# Altium PCB CM4-Tower.PcbDoc (part 4 of 10)
Units mil, origin at the board's own origin, x right, y up, seen from the top; angles counter-clockwise.
Board outline 1968.5 x 5354.33 mil, 8 copper layers (Top Layer, Layer 2, Layer 3, Layer 4, Layer 5, Layer 6, Layer 7, Bottom Layer), stack 61.408 mil thick; 632 components, 480 nets, 2338 pads, 1074 vias.
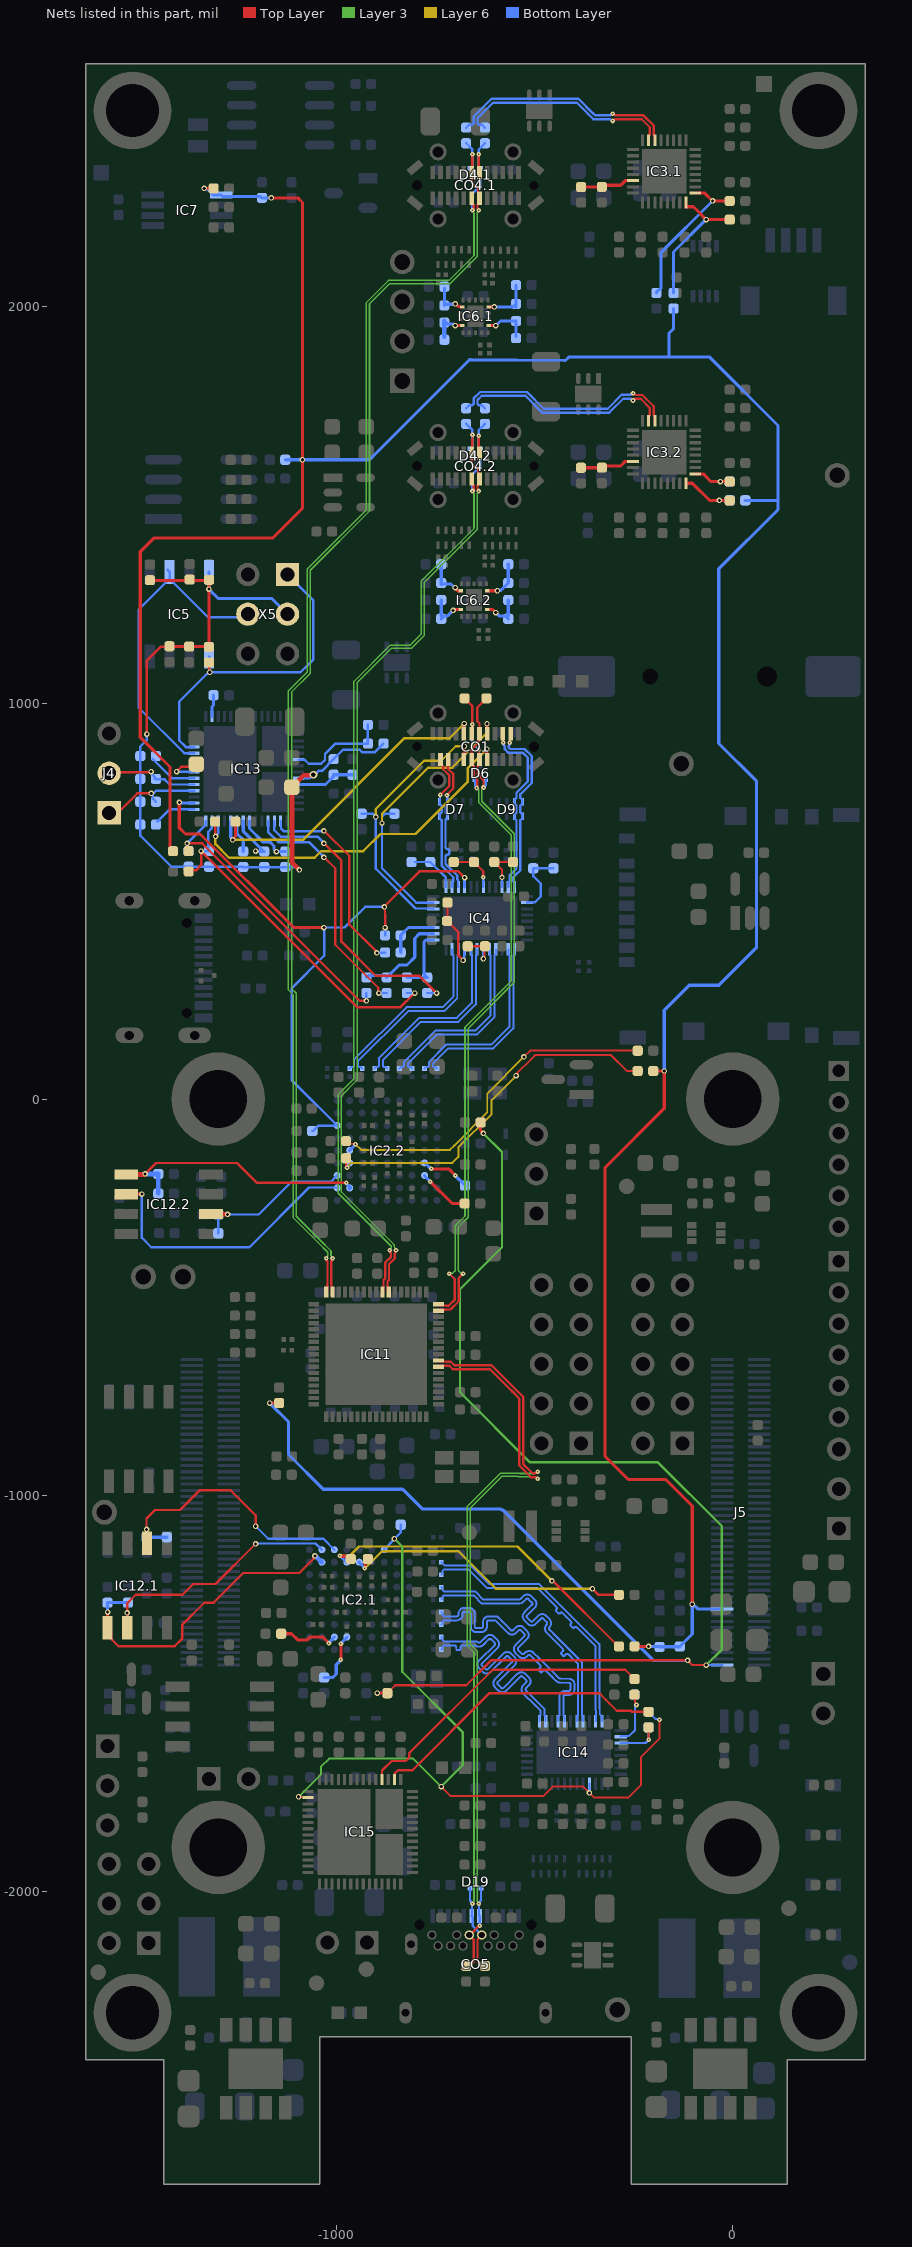
[diagram p10: the nets of this part, all layers, seen from the top]

## Via types
v1: diameter 13.78, hole 7.87, Top Layer to Bottom Layer, tented both sides, 538 vias
v2: diameter 11.81, hole 3.94, Top Layer to Bottom Layer, tented both sides, 294 vias
v3: diameter 19.68, hole 11.81, Top Layer to Bottom Layer, tented both sides, 193 vias
v4: diameter 31.5, hole 19.68, Top Layer to Bottom Layer, tented both sides, 49 vias

## Nets (pads, with @x,y where several pads share a name; then routed paths per layer and width w, separated by ;. In a path a pad name is that pad's centre, name@x,y a point inside that pad or via, vN(x,y) a via of type N, cw(c..) or ccw(c..) an arc to the next point about the centre after c; other vN are vias at no path point) (continued)
CM4_I2C.SDA: IC7.1 J5.82 R117.2 R127.1.1 R127.2.1 R148.1.1 R148.2.1 R188.1 R190.1 R208.2 R216.1 R221.1 | length 7707.2
  Top Layer w7.87: R188.1@-1413.39,625.98 -1420.72,633.32 -1420.72,638.92 -1421.26,639.46 -1421.26,838.58 -1496.06,913.39 -1496.06,1381.97 -1461.7,1416.34 -1162.4,1416.34 -1086.61,1492.13 v1(-1086.61,1614.17) -1086.61,2263.78 -1098.43,2275.59 v1(-1165.35,2275.59) ; v1(-1334.65,2299.21) R208.2@-1311.02,2299.21 ; R148.1.1@-248.03,-1381.89 v1(-212.6,-1381.89) ; R148.2.1@-200.79,70.87 v1(-173.23,70.87) -173.23,-23.62 -322.83,-173.23 -322.83,-901.57 -263.78,-960.63 -169.29,-960.63 -102.36,-1027.56 v1(-102.36,-1275.59)
  Bottom Layer w7.87: v1(-1334.65,2299.21) -1333.52,2298.08 -1326.63,2298.08 -1311.02,2282.48 IC7.1@-1291.34,2282.48 -1287.89,2279.04 -1192.42,2279.04 R216.1@-1188.98,2275.59 v1(-1165.35,2275.59) ; R221.1@-1129.92,1614.17 v1(-1086.61,1614.17) -917.32,1614.17 -664.83,1866.67 -661.53,1866.67 -425.69,1865 -422.4,1865 -413.39,1874.02 -161.42,1874.02 ; v1(-212.6,-1381.89) -211.84,-1382.65 -185.8,-1382.65 R190.1@-185.04,-1383.4 -184.54,-1382.9 -134.36,-1382.9 R117.2@-133.86,-1382.4 -102.36,-1350.91 v1(-102.36,-1275.59) -100.76,-1275.59 -88.95,-1287.4 J5.82@-26.77,-1287.4 ; v1(-173.23,70.87) -173.23,224.41 -110.24,287.4 -35.43,287.4 60.04,382.87 60.04,802.17 -35.43,897.64 -35.43,1338.58 114.17,1488.19 114.17,1511.81 ; R127.1.1@-149.61,1996.06 -149.61,1944.88 -161.42,1933.07 -161.42,1874.02 ; R127.2.1@31.5,1511.81 114.17,1511.81 ; -161.42,1874.02 -59.06,1874.02 114.17,1700.79 114.17,1511.81
CM4_R_SCL.1: IC2.1.E2 R70.1.2 R149.1.2 | length 759.1
  Top Layer w5.91: v1(-354.45,-1236.34) -338.83,-1251.97 R149.1.2@-281.87,-1251.97
  Top Layer w7.87: v2(-929.13,-1185.04) -928.38,-1184.29 -928.38,-1168.54 R70.1.2@-921.26,-1161.42
  Layer 6 w5.91: v2(-929.13,-1185.04) -885.83,-1141.73 -692.91,-1141.73 -598.3,-1236.34 v1(-354.45,-1236.34)
  Bottom Layer w7.87: IC2.1.E2@-943.13,-1169.47 -943.13,-1170.26 -929.13,-1184.25 v2(-929.13,-1185.04)
CM4_R_SCL.2: IC2.2.E2 R70.2.2 R149.2.2 | length 898.9
  Top Layer w4.92: R70.2.2@-976.38,-106.3 -969.82,-112.86 -954.07,-112.86 v2(-952.76,-114.17) ; v1(-527.56,106.3) -511.81,122.05 R149.2.2@-240.16,122.05
  Layer 6 w4.92: v2(-952.76,-114.17) -938.49,-128.44 -714.55,-128.44 -703.74,-117.62 -703.74,-117.56 -620.08,-33.9 -620.08,13.78 v1(-527.56,106.3)
  Bottom Layer w7.87: IC2.2.E2@-967.37,-129.92 -967.37,-129.35 -952.76,-114.74 v2(-952.76,-114.17)
CM4_R_SDA.1: IC2.1.D2 R71.1.2 R148.1.2 | length 873.6
  Top Layer w5.91: v1(-456.69,-1216.54) -455.19,-1218.04 -452.89,-1218.04 -289.47,-1381.46 R148.1.2@-287.4,-1381.46
  Top Layer w7.87: v2(-992.13,-1153.54) -991.37,-1154.3 -971.69,-1154.3 R71.1.2@-964.57,-1161.42
  Layer 6 w5.91: v2(-992.13,-1153.54) -967.68,-1153.54 -944.05,-1129.92 -543.31,-1129.92 v1(-456.69,-1216.54)
  Bottom Layer w7.87: v2(-992.13,-1153.54) -991.34,-1153.54 -975.41,-1169.47 IC2.1.D2@-974.62,-1169.47
CM4_R_SDA.2: IC2.2.D2 R71.2.2 R148.2.2 | length 946.5
  Top Layer w4.92: R71.2.2@-976.38,-149.61 -976.19,-149.8 -976.19,-171.35 v2(-974.15,-173.39) ; v1(-547.24,59.06) -547.24,61.45 -544.04,64.65 -544.04,66.19 -507.87,102.36 -499.02,111.22 -308.07,111.22 -267.72,70.87 R148.2.2@-240.16,70.87
  Layer 6 w4.92: v2(-974.15,-173.39) -974.15,-171.52 -967.5,-164.87 -967.5,-164.68 -964.02,-161.2 -707.94,-161.2 -692.91,-146.17 -692.91,-122.05 -609.25,-38.39 -609.25,-2.95 v1(-547.24,59.06)
  Bottom Layer w7.87: v2(-974.15,-173.39) -973.4,-172.64 -973.4,-170.11 -967.37,-164.08 IC2.2.D2@-967.37,-161.42
CM4_rstn: J5.100 R22.1 R28.1.1 R28.2.1 | length 4222.5
  Top Layer w5.91: R28.1.1@-872.26,-1500.18 -852.4,-1480.32 -673.23,-1480.32 -610.24,-1417.32 v1(-114.17,-1417.32) -102.36,-1429.13 v1(-66.93,-1429.13)
  Top Layer w7.87: v1(-1169.29,-767.72) R22.1@-1145.67,-767.72 ; v1(-897.85,-1500) -897.76,-1500.09 -872.35,-1500.09 R28.1.1@-872.26,-1500.18 ; R28.2.1@-636.66,-59.06 -636.66,-79.27 -629.92,-86.01 v1(-629.92,-86.61)
  Layer 3 w5.91: v1(-629.92,-86.61) -582.68,-133.86 -582.68,-374.02 -688.98,-480.31 -688.98,-740.16 -511.81,-917.32 -188.98,-917.32 -27.56,-1078.74 -27.56,-1389.76 v1(-66.93,-1429.13)
  Bottom Layer w5.91: v1(-66.93,-1429.13) J5.100@-26.77,-1429.13
  Bottom Layer w7.87: v1(-1169.29,-767.72) -1122.05,-814.96 -1122.05,-897.64 -1034.45,-985.24 -833.66,-985.24 -784.24,-1034.66 -587.19,-1034.66 -584.45,-1037.4 -580.75,-1037.4 -200.83,-1417.32 v1(-114.17,-1417.32)
CNFG_A1.1: IC6.1.1 R237.1.2 R241.1.1 | length 109.2
  Top Layer w7.87: IC6.1.1@-616.14,1952.76 v1(-598.43,1952.76)
  Bottom Layer w7.87: v1(-598.43,1952.76) -586.61,1964.57 -570.87,1964.57 R237.1.2@-547.24,1964.57 ; R241.1.1@-547.24,1925.2 R237.1.2@-547.24,1960.63
CNFG_A1.2: IC6.2.1 R237.2.2 R241.2.1 | length 102.3
  Top Layer w7.87: IC6.2.1@-620.08,1236.22 -606.3,1236.22 v1(-598.43,1228.35)
  Bottom Layer w7.87: v1(-598.43,1228.35) -590.02,1219.94 -574.27,1219.94 R241.2.1@-566.93,1212.6 ; R241.2.1@-566.93,1220.47 R237.2.2@-566.93,1259.84
CNFG_A2.1: IC6.1.13 R239.1.2 R243.1.1 | length 89.5
  Top Layer w7.87: v1(-700.79,1952.76) IC6.1.13@-683.07,1952.76
  Bottom Layer w7.87: R239.1.2@-728.35,1964.57 -721.01,1957.23 -706.86,1957.23 -702.39,1952.76 v1(-700.79,1952.76)
  Bottom Layer w11.81: R243.1.1@-728.35,1925.2 R239.1.2@-728.35,1964.57
CNFG_A2.2: IC6.2.13 R239.2.2 R243.2.1 | length 98.4
  Top Layer w7.87: v1(-706.18,1233.96) -704.58,1233.96 -702.32,1236.22 IC6.2.13@-687.01,1236.22
  Bottom Layer w7.87: R243.2.1@-736.22,1212.6 -728.89,1219.93 -720.2,1219.93 v1(-706.18,1233.96) ; R243.2.1@-736.22,1220.47 R239.2.2@-736.22,1259.84
CNFG_B1.1: IC6.1.4 R238.1.2 R242.1.1 | length 128.4
  Top Layer w7.87: IC6.1.4@-616.14,2000 -602.46,2000 v1(-602.41,2000.05)
  Bottom Layer w7.87: v1(-602.41,2000.05) -560.72,2000.05 -560.23,2000.53 -554.58,2000.53 R238.1.2@-547.24,2007.87 ; R238.1.2@-547.24,1998.92 R238.1.2@-547.24,2007.87 ; R242.1.1@-547.24,2055.12 R238.1.2@-547.24,2007.87
CNFG_B1.2: IC6.2.4 R238.2.2 R242.2.1 | length 108.5
  Top Layer w7.87: IC6.2.4@-620.08,1283.46 v1(-594.49,1283.46)
  Bottom Layer w7.87: v1(-594.49,1283.46) -593.36,1284.59 -585.48,1284.59 R238.2.2@-566.93,1303.15 R242.2.1@-566.93,1350.39
CNFG_B2.1: IC6.1.10 R240.1.2 R244.1.1 | length 92.5
  Top Layer w7.87: v1(-700.79,2007.87) -699.87,2006.96 ccw(c-683.07,2023.76) IC6.1.10@-683.07,2000
  Bottom Layer w7.87: R244.1.1@-728.35,2047.24 -728.35,2006.74 R240.1.2@-728.35,2003.94 -725.54,2006.74 -701.92,2006.74 v1(-700.79,2007.87)
CNFG_B2.2: IC6.2.10 R240.2.2 R244.2.1 | length 103
  Top Layer w7.87: v1@-700.79,1287.4 -699.19,1287.4 -695.25,1283.46 IC6.2.10@-687.01,1283.46
  Bottom Layer w7.87: R240.2.2@-736.22,1299.21 R244.2.1@-736.22,1346.46 ; R240.2.2@-736.22,1303.15 -733.64,1300.57 -711.61,1300.57 -702.39,1291.34 v1(-700.79,1291.34)
CONFIG1.1: IC2.1.C8 R35.1.2 | length 157.9
  Top Layer w7.87: R35.1.2@-1140.29,-1350 -1114.46,-1350 -1098.81,-1365.65 -1074.31,-1365.65 -1066.93,-1358.27 -1035.43,-1358.27 v2(-1019.69,-1374.02)
  Bottom Layer w7.87: v2(-1019.69,-1374.02) -1018.93,-1373.26 -1018.93,-1371.26 IC2.1.C8@-1006.12,-1358.45
CONFIG1.2: IC2.2.C8 R35.2.2 | length 131.2
  Top Layer w7.87: v2(-763.78,-208.66) -708.66,-263.78 R35.2.2@-677.17,-263.78
  Bottom Layer w7.87: IC2.2.C8@-778.39,-192.91 -778.39,-193.48 -763.78,-208.09 v2(-763.78,-208.66)
CONFIG2.1: IC2.1.D8 R54.1.2 | length 138.6
  Top Layer w7.87: v2(-989.79,-1415.72) -989.59,-1415.52 -989.59,-1375.68 v2(-989.39,-1375.48)
  Bottom Layer w7.87: R54.1.2@-1031.71,-1460.81 -1031.62,-1460.72 -1010.15,-1460.72 -1001.2,-1451.77 -1001.2,-1428.2 -989.79,-1416.79 v2(-989.79,-1415.72) ; v2(-989.39,-1375.48) -989.39,-1374.41 -974.62,-1359.65 IC2.1.D8@-974.62,-1358.45
CONFIG2.2: IC2.2.D8 R54.2.2 | length 126.5
  Top Layer w7.87: v2(-761.36,-176.2) -717.52,-176.18 v2(-700.79,-192.91)
  Bottom Layer w7.87: IC2.2.D8@-778.39,-161.42 -777.21,-161.42 -762.43,-176.2 v2(-761.36,-176.2) ; v2(-700.79,-192.91) -700.79,-193.33 -676.03,-218.09 R54.2.2@-676.03,-218.5
CTL0(USB3): IC15.18 R152.1 | length 782.2
  Top Layer w5.91: IC15.18@-885.83,-1718.5 -885.83,-1695.76 -861.33,-1671.26 -825.87,-1671.26 -816.93,-1662.32 -816.93,-1651.58 -606.3,-1440.94 -271.65,-1440.94 R152.1@-248.03,-1464.57
CTL0/SDA: IC14.22 R152.2 R153.2 | length 165.2
  Top Layer w4.92: R152.2@-248.03,-1503.94 -247.48,-1504.49 -247.48,-1523.66 -243.11,-1528.03 v2(-243.11,-1529.87)
  Bottom Layer w4.92: IC14.22@-283.46,-1610.24 -281.99,-1608.76 -262.3,-1608.76 -246.93,-1593.39 v2@-246.93,-1529.87 ; R153.2@-248.03,-1503.94 -247.48,-1504.49 -247.48,-1523.66 -246.93,-1524.22 v2@-246.93,-1529.87 ; v2(-243.11,-1529.87) v2@-246.93,-1529.87
CTL1(DP): IC15.16 R154.1 | length 760.4
  Top Layer w5.91: IC15.16@-854.33,-1718.5 -853.35,-1717.52 -853.35,-1703.02 -845.2,-1694.88 -809.06,-1694.88 -614.17,-1500 -337.39,-1500 -320.87,-1516.52 -320.87,-1516.65 -311.93,-1525.59 -311.8,-1525.59 -293.1,-1544.29 -257.81,-1544.29 -254.86,-1547.24 R154.1@-212.6,-1547.24
CTL1/HPDIN: IC14.23 R154.2 R155.2 | length 137.1
  Top Layer w4.92: v2(-212.6,-1618.11) R154.2@-212.6,-1586.61
  Bottom Layer w4.92: IC14.23@-283.46,-1625.98 -220.47,-1625.98 v2(-212.6,-1618.11) R155.2@-212.6,-1586.61
CTL.1: IC3.1.30 R61.1.2 R69.1.1 | length 128.4
  Top Layer w7.87: R69.1.1@-383.26,2302.89 -383.13,2303.02 -330.84,2303.02 R61.1.2@-330.71,2303.15 ; R61.1.2@-322.83,2307.09 -322.53,2307.4 -283.13,2307.4 -271.62,2318.9 IC3.1.30@-251.97,2318.9
CTL.2: IC3.2.30 R61.2.2 R69.2.1 | length 128.4
  Top Layer w7.87: R69.2.1@-383.26,1594.04 -383.13,1594.17 -330.84,1594.17 R61.2.2@-330.71,1594.3 ; R61.2.2@-322.83,1598.24 -322.53,1598.55 -283.13,1598.55 -271.62,1610.05 IC3.2.30@-251.97,1610.05
D_DFP.1_N: CO4.1.7 CO4.1.27 D4.1.2 IC11.17 R64.1.2 | length 3322.9
  Top Layer w5.91: IC11.17@-1026.39,-487.08 -1023.83,-484.52 -1023.83,-468.65 -1023.44,-468.25 -1023.44,-439.8 -1023.44,-409.66 -1026.39,-406.71 v2(-1026.39,-401.57) ; CO4.1.7@-659.45,2274.41 -659.45,2263.58 -654.53,2258.66 v2@-654.53,2248.65 ; v2(-641.73,2385.83) -641.73,2341.73 CO4.1.27@-639.76,2339.76
  Layer 3 w3.94: v2(-1026.39,-401.57) -1026.39,-399.44 -1022.45,-395.51 -1022.45,-387 -1047.24,-362.2 -1110.24,-299.21 -1110.24,263.78 -1122.05,275.59 -1122.05,1030.82 -1074.8,1078.06 -1074.8,1338.58 -925.2,1488.19 -925.2,2011.14 -869.4,2066.93 -716.54,2066.93 -653.54,2129.92 -653.54,2238.03 -657.48,2241.96 v2(-657.48,2244.09)
  Bottom Layer w5.91: v2(-657.48,2244.09) -657.48,2286.25 -636.74,2306.99 D4.1.2@-636.74,2350.5 -641.73,2355.49 -641.73,2374.02 v2(-641.73,2385.83) -641.73,2397.64 R64.1.2@-625.98,2413.39
D_DFP.1_P: CO4.1.6 CO4.1.26 D4.1.1 IC11.16 R65.1.2 | length 3282.2
  Top Layer w5.91: IC11.16@-1010.64,-487.08 -1013.2,-484.52 -1013.2,-468.65 -1013.59,-468.25 -1013.59,-443.88 -1013.59,-409.66 -1010.64,-406.71 v2(-1010.64,-401.57) ; v2(-657.48,2385.83) -657.48,2341.73 CO4.1.26@-659.45,2339.76 -659.45,2314.17 -642.72,2297.44 -642.72,2277.36 CO4.1.6@-639.76,2274.41 -639.76,2263.58 -644.69,2258.66 v2@-644.69,2248.65
  Layer 3 w3.94: v2(-1010.64,-401.57) -1010.64,-399.44 -1014.58,-395.51 -1014.58,-383.74 -1041.68,-356.64 -1049.55,-348.76 -1102.36,-295.95 -1102.36,267.04 -1114.17,278.85 -1114.17,1027.56 -1066.93,1074.8 -1066.93,1335.32 -917.32,1484.93 -917.32,2007.87 -866.14,2059.06 -713.27,2059.06 -645.67,2126.66 -645.67,2238.03 -641.73,2241.96 v2(-641.73,2244.09)
  Bottom Layer w5.91: R65.1.2@-673.23,2413.39 -657.48,2397.64 v2(-657.48,2385.83) -657.48,2357.33 D4.1.1@-664.3,2350.5
D_DFP.2_N: CO4.2.7 CO4.2.27 D4.2.2 IC11.8 R64.2.2 | length 2521.3
  Top Layer w5.91: IC11.8@-884.66,-487.08 -882.1,-484.52 -882.1,-468.65 -881.9,-468.45 -881.9,-456.79 -877.95,-452.85 -877.95,-413.25 -863.19,-398.48 -863.19,-389.97 -865.01,-388.15 -865.01,-383.02 v2(-866.14,-381.89) ; CO4.2.7@-659.45,1565.56 -659.45,1554.73 -654.53,1549.81 v2@-654.53,1539.8 ; v2(-641.27,1675.09) -641.5,1674.86 -641.5,1658.64 -641.73,1658.41 -641.73,1632.88 CO4.2.27@-639.76,1630.92
  Layer 3 w3.94: v2(-866.14,-381.89) cw(c-861,-381.89) -864.64,-378.26 -863.58,-377.2 ccw(c-866.91,-373.87) -862.2,-373.87 ccw(c-866.91,-373.87) -863.58,-370.55 -996.14,-237.99 -996.14,11.74 -956.69,51.18 -956.69,1054.44 -865.47,1145.67 -814.96,1145.67 -786.44,1174.19 -786.44,1308.05 -653.54,1440.94 -653.54,1529.18 -657.48,1533.12 v2(-657.48,1535.25)
  Bottom Layer w5.91: v2(-657.48,1535.25) -657.48,1577.4 -636.74,1598.14 D4.2.2@-636.74,1641.66 -641.27,1646.18 v2(-641.27,1675.09) -641.27,1689.44 R64.2.2@-625.98,1704.72
D_DFP.2_P: CO4.2.6 CO4.2.26 D4.2.1 IC11.7 R65.2.2 | length 2482.6
  Top Layer w5.91: -871.86,-472.33 -872.06,-472.13 -872.06,-460.87 -868.11,-456.92 -868.11,-417.32 -853.35,-402.56 -853.35,-389.97 -851.52,-388.15 -851.52,-383.02 v2(-850.39,-381.89) ; -871.47,-472.33 -871.47,-484.52 IC11.7@-868.91,-487.08 ; v2(-657.48,1676.98) -657.25,1676.75 -657.25,1665.17 -657.48,1664.94 -657.48,1633.07 CO4.2.26@-659.45,1631.1 -659.45,1605.32 -642.72,1588.59 -642.72,1568.51 -639.76,1565.56 -639.76,1554.73 -644.69,1549.81 v2@-644.69,1539.8
  Layer 3 w3.94: v2(-850.39,-381.89) ccw(c-855.54,-381.89) -851.89,-378.26 -852.36,-377.79 cw(c-847.61,-373.04) -854.33,-373.04 -854.33,-372.24 ccw(c-862.97,-372.24) -856.85,-366.14 -988.26,-234.73 -988.26,8.47 -948.82,47.92 -948.82,1051.18 -862.2,1137.8 -811.7,1137.8 -778.56,1170.93 -778.56,1304.79 -645.67,1437.68 -645.67,1529.18 -641.73,1533.12 v2(-641.73,1535.25)
  Bottom Layer w5.91: R65.2.2@-673.23,1704.72 -657.48,1688.98 v2(-657.48,1676.98) -657.48,1648.48 D4.2.1@-664.3,1641.66
D_DFP_R.1_N: IC3.1.23 R64.1.1 | length 550.3
  Top Layer w5.91: v2(-303.32,2469.64) -301.72,2469.64 -297.5,2473.87 -229.68,2473.87 -209.65,2453.84 -209.65,2435.04 -212.6,2432.09 IC3.1.23@-212.6,2421.26
  Bottom Layer w5.91: R64.1.1@-625.98,2452.76 -633.3,2460.07 -641.23,2460.07 -644.69,2463.53 -644.69,2476.38 -605.32,2515.75 -393.7,2515.75 -366.14,2488.19 -352.07,2474.12 -309.4,2474.12 -304.92,2469.64 v2(-303.32,2469.64)
D_DFP_R.1_P: IC3.1.22 R65.1.1 | length 582.9
  Top Layer w5.91: v2(-303.15,2488.19) -301.55,2488.19 -297.07,2483.71 -225.6,2483.71 -199.8,2457.91 -199.8,2435.04 -196.85,2432.09 IC3.1.22@-196.85,2421.26
  Bottom Layer w5.91: R65.1.1@-673.23,2452.76 -665.91,2460.07 -657.99,2460.07 -654.53,2463.53 -654.53,2480.45 -609.39,2525.59 -389.62,2525.59 -352.8,2488.77 -348,2483.96 -308.97,2483.96 -304.75,2488.19 v2(-303.15,2488.19)
D_DFP_R.2_N: IC3.2.23 R64.2.1 | length 551.6
  Top Layer w5.91: v2(-251.97,1763.78) -250.37,1763.78 -246.15,1768 -232.66,1768 -209.65,1744.99 -209.65,1726.19 -212.6,1723.24 IC3.2.23@-212.6,1712.41
  Bottom Layer w5.91: R64.2.1@-625.98,1744.09 -633.3,1751.41 -641.23,1751.41 -644.69,1754.87 -644.69,1764.76 -633.86,1775.59 -523.62,1775.59 -484.25,1736.22 -481.23,1733.2 -311.94,1733.2 -276.88,1768.26 -258.04,1768.26 -253.57,1763.78 v2(-251.97,1763.78)
D_DFP_R.2_P: IC3.2.22 R65.2.1 | length 584.2
  Top Layer w5.91: v2(-251.8,1782.33) -250.2,1782.33 -245.72,1777.85 -228.59,1777.85 -199.8,1749.06 -199.8,1726.19 -196.85,1723.24 IC3.2.22@-196.85,1712.41
  Bottom Layer w5.91: R65.2.1@-673.23,1744.09 -665.91,1751.41 -657.99,1751.41 -654.53,1754.87 -654.53,1768.84 -637.93,1785.43 -519.55,1785.43 -477.15,1743.04 -316.01,1743.04 -280.95,1778.1 -257.62,1778.1 -253.4,1782.33 v2(-251.8,1782.33)
D_N: CO5.7 CO5.27 D19.2 IC11.59 R187.2 | length 1923.3
  Top Layer w5.91: IC11.59@-742.92,-660.31 -740.36,-662.87 -724.49,-662.87 -724.1,-663.26 -711.98,-663.26 -702.99,-672.24 -609.11,-672.24 -529.53,-751.83 -529.53,-921.36 -505.82,-945.06 -497.84,-945.06 -493.72,-940.94 v2(-492.13,-940.94) ; CO5.27@-633.86,-2110.63 -633.86,-2112.12 -644.69,-2122.95 -644.69,-2178.2 -641.23,-2181.66 -633.3,-2181.66 R187.2@-625.98,-2188.98
  Layer 3 w3.94: v2(-657.48,-2031.5) -657.48,-2029.37 -653.54,-2025.43 -653.54,-1396.96 -670.92,-1379.58 -670.92,-1029.19 -586.61,-944.88 -539,-944.88 -538.41,-945.47 -498.37,-945.47 -493.85,-940.94 v2(-492.13,-940.94)
  Bottom Layer w5.91: D19.2@-663.39,-1993.11 -663.39,-2023.99 -657.48,-2029.9 v2(-657.48,-2031.5) -658.46,-2032.48 -658.46,-2062.01 CO5.7@-659.45,-2062.99 -656.5,-2065.94 -656.5,-2087.99 CO5.27@-633.86,-2110.63
D_P: CO5.6 CO5.26 D19.1 IC11.58 R186.2 | length 1913.4
  Top Layer w5.91: IC11.58@-742.92,-676.06 -740.36,-673.5 -724.49,-673.5 -724.1,-673.1 -716.05,-673.1 -707.07,-682.09 -613.19,-682.09 -562.99,-732.28 -556.61,-738.67 -539.37,-755.91 -539.37,-925.44 -509.9,-954.91 -497.9,-954.91 -493.75,-959.06 v2(-492.15,-959.06) ; R186.2@-673.23,-2188.98 -665.91,-2181.66 -657.99,-2181.66 -654.53,-2178.2 -654.53,-2122.95 -665.35,-2112.12 CO5.26@-665.35,-2110.63 -663.69,-2110.63 -640.53,-2087.46 v2(-638.93,-2087.46)
  Layer 3 w3.94: v2(-641.73,-2031.5) -641.73,-2029.37 -645.67,-2025.43 -645.67,-1393.7 -663.05,-1376.32 -663.05,-1032.45 -583.35,-952.76 -542.26,-952.76 -541.68,-953.34 -499.54,-953.34 -493.83,-959.06 v2(-492.15,-959.06)
  Bottom Layer w5.91: v2(-638.93,-2087.46) -639.35,-2087.05 -639.35,-2063.41 CO5.6@-639.76,-2062.99 -640.75,-2062.01 -640.75,-2032.48 v2(-641.73,-2031.5) -641.73,-2029.9 -635.83,-2023.99 D19.1@-635.83,-1993.11
DFP_SCL.1: IC3.1.9 R62.1.2 R128.1.2 | length 385.8
  Top Layer w7.87: IC3.1.9@-94.49,2287.4 -70.87,2287.4 v1(-51.18,2267.72) R62.1.2@-7.87,2267.72
  Bottom Layer w7.87: R128.1.2@-192.91,2035.43 -192.91,2036.76 -181.1,2048.58 -181.1,2137.8 v1(-51.18,2267.72)
DFP_SCL.2: IC3.2.9 R62.2.2 R128.2.2 | length 118.4
  Top Layer w7.87: IC3.2.9@-94.49,1578.55 -74.62,1578.55 -54.93,1558.87 v1(-31.4,1558.87) R62.2.2@-7.87,1558.87
  Bottom Layer w7.87: v1(-31.4,1558.87) -31.31,1558.96 -7.97,1558.96 R128.2.2@-7.87,1559.06
DFP_SDA.1: IC3.1.8 R63.1.2 R127.1.2 | length 354.4
  Top Layer w7.87: IC3.1.8@-118.11,2263.78 -118.11,2252.95 -99.41,2252.95 v1(-66.93,2220.47) R63.1.2@-7.87,2220.47
  Bottom Layer w7.87: R127.1.2@-149.61,2035.43 -149.61,2138.76 -67.9,2220.47 v1(-66.93,2220.47)
DFP_SDA.2: IC3.2.8 R63.2.2 R127.2.2 | length 154.4
  Top Layer w7.87: IC3.2.8@-118.11,1554.93 -102.18,1554.93 -58.82,1511.58 v1(-33.95,1511.58) ; v1(-33.95,1511.58) R63.2.2@-7.87,1511.62
  Bottom Layer w7.87: v1(-33.95,1511.58) -33.83,1511.7 -7.99,1511.7 R127.2.2@-7.87,1511.81
DP0.2_N: C124.2.1 IC4.10 | length 460.2
  Bottom Layer w4.92: C124.2.1@-778.39,77.36 -775.27,80.48 -770.55,80.48 -767.66,83.37 -767.66,93.04 -722.91,137.8 -608.69,137.8 -564.07,182.41 -564.07,363.29 -566.93,366.14 IC4.10@-566.93,377.95
DP0.2_P: C125.2.1 IC4.9 | length 460.2
  Bottom Layer w4.92: C125.2.1@-746.9,77.36 -750.02,80.48 -754.74,80.48 -757.62,83.37 -757.62,88.88 -718.75,127.76 -604.53,127.76 -554.04,178.25 -554.04,292.47 -554.04,363.29 -551.18,366.14 IC4.9@-551.18,377.95
DP0_N: C124.1.1 IC14.10 | length 684.1
  Bottom Layer w4.92: C124.1.1@-735.84,-1358.45 -732.72,-1361.57 -732.72,-1366.29 -729.84,-1369.18 -652.73,-1369.18 -646.57,-1369.18 -644.36,-1371.38 ccw(c-640.88,-1367.9) -637.4,-1371.38 -623.07,-1357.05 cw(c-613.04,-1367.07) -603.02,-1357.05 -594.25,-1365.82 cw(c-604.28,-1375.84) -592.78,-1384.13 -592.78,-1384.39 -633.09,-1424.7 ccw(c-630.17,-1427.62) -633.09,-1430.54 -624.32,-1439.31 ccw(c-621.4,-1436.39) -618.47,-1439.31 -579.64,-1400.48 cw(c-569.62,-1410.5) -559.59,-1400.48 -550.82,-1409.25 cw(c-560.85,-1419.27) -549.35,-1427.56 -549.35,-1427.82 -593.56,-1472.02 ccw(c-590.63,-1474.95) -593.56,-1477.87 -584.79,-1486.64 ccw(c-581.87,-1483.71) -578.94,-1486.64 ; -578.92,-1486.62 -543.71,-1451.4 cw(c-533.68,-1461.42) -523.66,-1451.4 -514.89,-1460.17 cw(c-524.91,-1470.19) -514.89,-1480.21 -521.73,-1487.06 ccw(c-518.25,-1490.53) -521.73,-1494.01 -492.13,-1523.62 -475.3,-1540.45 -475.3,-1556.2 -472.44,-1559.05 IC14.10@-472.44,-1570.87
DP0_P: C125.1.1 IC14.9 | length 685.1
  Bottom Layer w4.92: C125.1.1@-735.84,-1389.94 -732.72,-1386.82 -732.72,-1382.1 -729.84,-1379.21 -716.54,-1379.21 -703.25,-1379.21 cw(c-703.25,-1384.14) -698.33,-1384.14 -698.33,-1388.86 ccw(c-696.16,-1388.86) -696.16,-1391.03 -689.66,-1391.03 ccw(c-689.66,-1388.86) -687.5,-1388.86 -687.5,-1384.14 cw(c-682.58,-1384.14) -682.58,-1379.21 -665.35,-1379.21 -662.77,-1379.21 -650.73,-1379.21 -649.99,-1379.95 -649.75,-1379.95 ccw(c-640.88,-1367.9) -630.3,-1378.48 -615.97,-1364.15 cw(c-613.04,-1367.07) -610.12,-1364.15 -601.35,-1372.92 cw(c-604.28,-1375.84) -601.35,-1378.76 ; -601.37,-1378.78 -640.19,-1417.6 ccw(c-630.17,-1427.62) -640.17,-1437.66 -631.44,-1446.39 ccw(c-621.4,-1436.39) -613.1,-1447.88 -612.84,-1447.88 -572.54,-1407.58 cw(c-569.62,-1410.5) -566.69,-1407.58 -557.92,-1416.34 cw(c-560.85,-1419.27) -557.92,-1422.19 ; -557.94,-1422.21 -600.66,-1464.92 ccw(c-590.63,-1474.95) -600.64,-1484.99 -591.91,-1493.72 ccw(c-581.87,-1483.71) -573.57,-1495.21 -573.31,-1495.21 -536.61,-1458.5 cw(c-533.68,-1461.42) -530.76,-1458.5 -521.99,-1467.27 cw(c-524.91,-1470.19) -521.99,-1473.11 -528.83,-1479.96 ccw(c-518.25,-1490.53) -528.83,-1501.11 -499.22,-1530.72 -485.33,-1544.61 -485.33,-1556.2 -488.19,-1559.05 IC14.9@-488.19,-1570.87
DP1.2_N: C122.2.1 IC4.13 | length 458.9
  Bottom Layer w4.92: C122.2.1@-841.38,77.36 -838.26,80.48 -833.54,80.48 -830.66,83.37 -830.66,93.04 -750.47,173.23 -649.61,173.23 -611.32,211.52 -611.32,363.29 -614.17,366.14 IC4.13@-614.17,377.95